# Altium PCB Mixed Signal Board Project_final.PcbDoc (part 1 of 3) (continued)
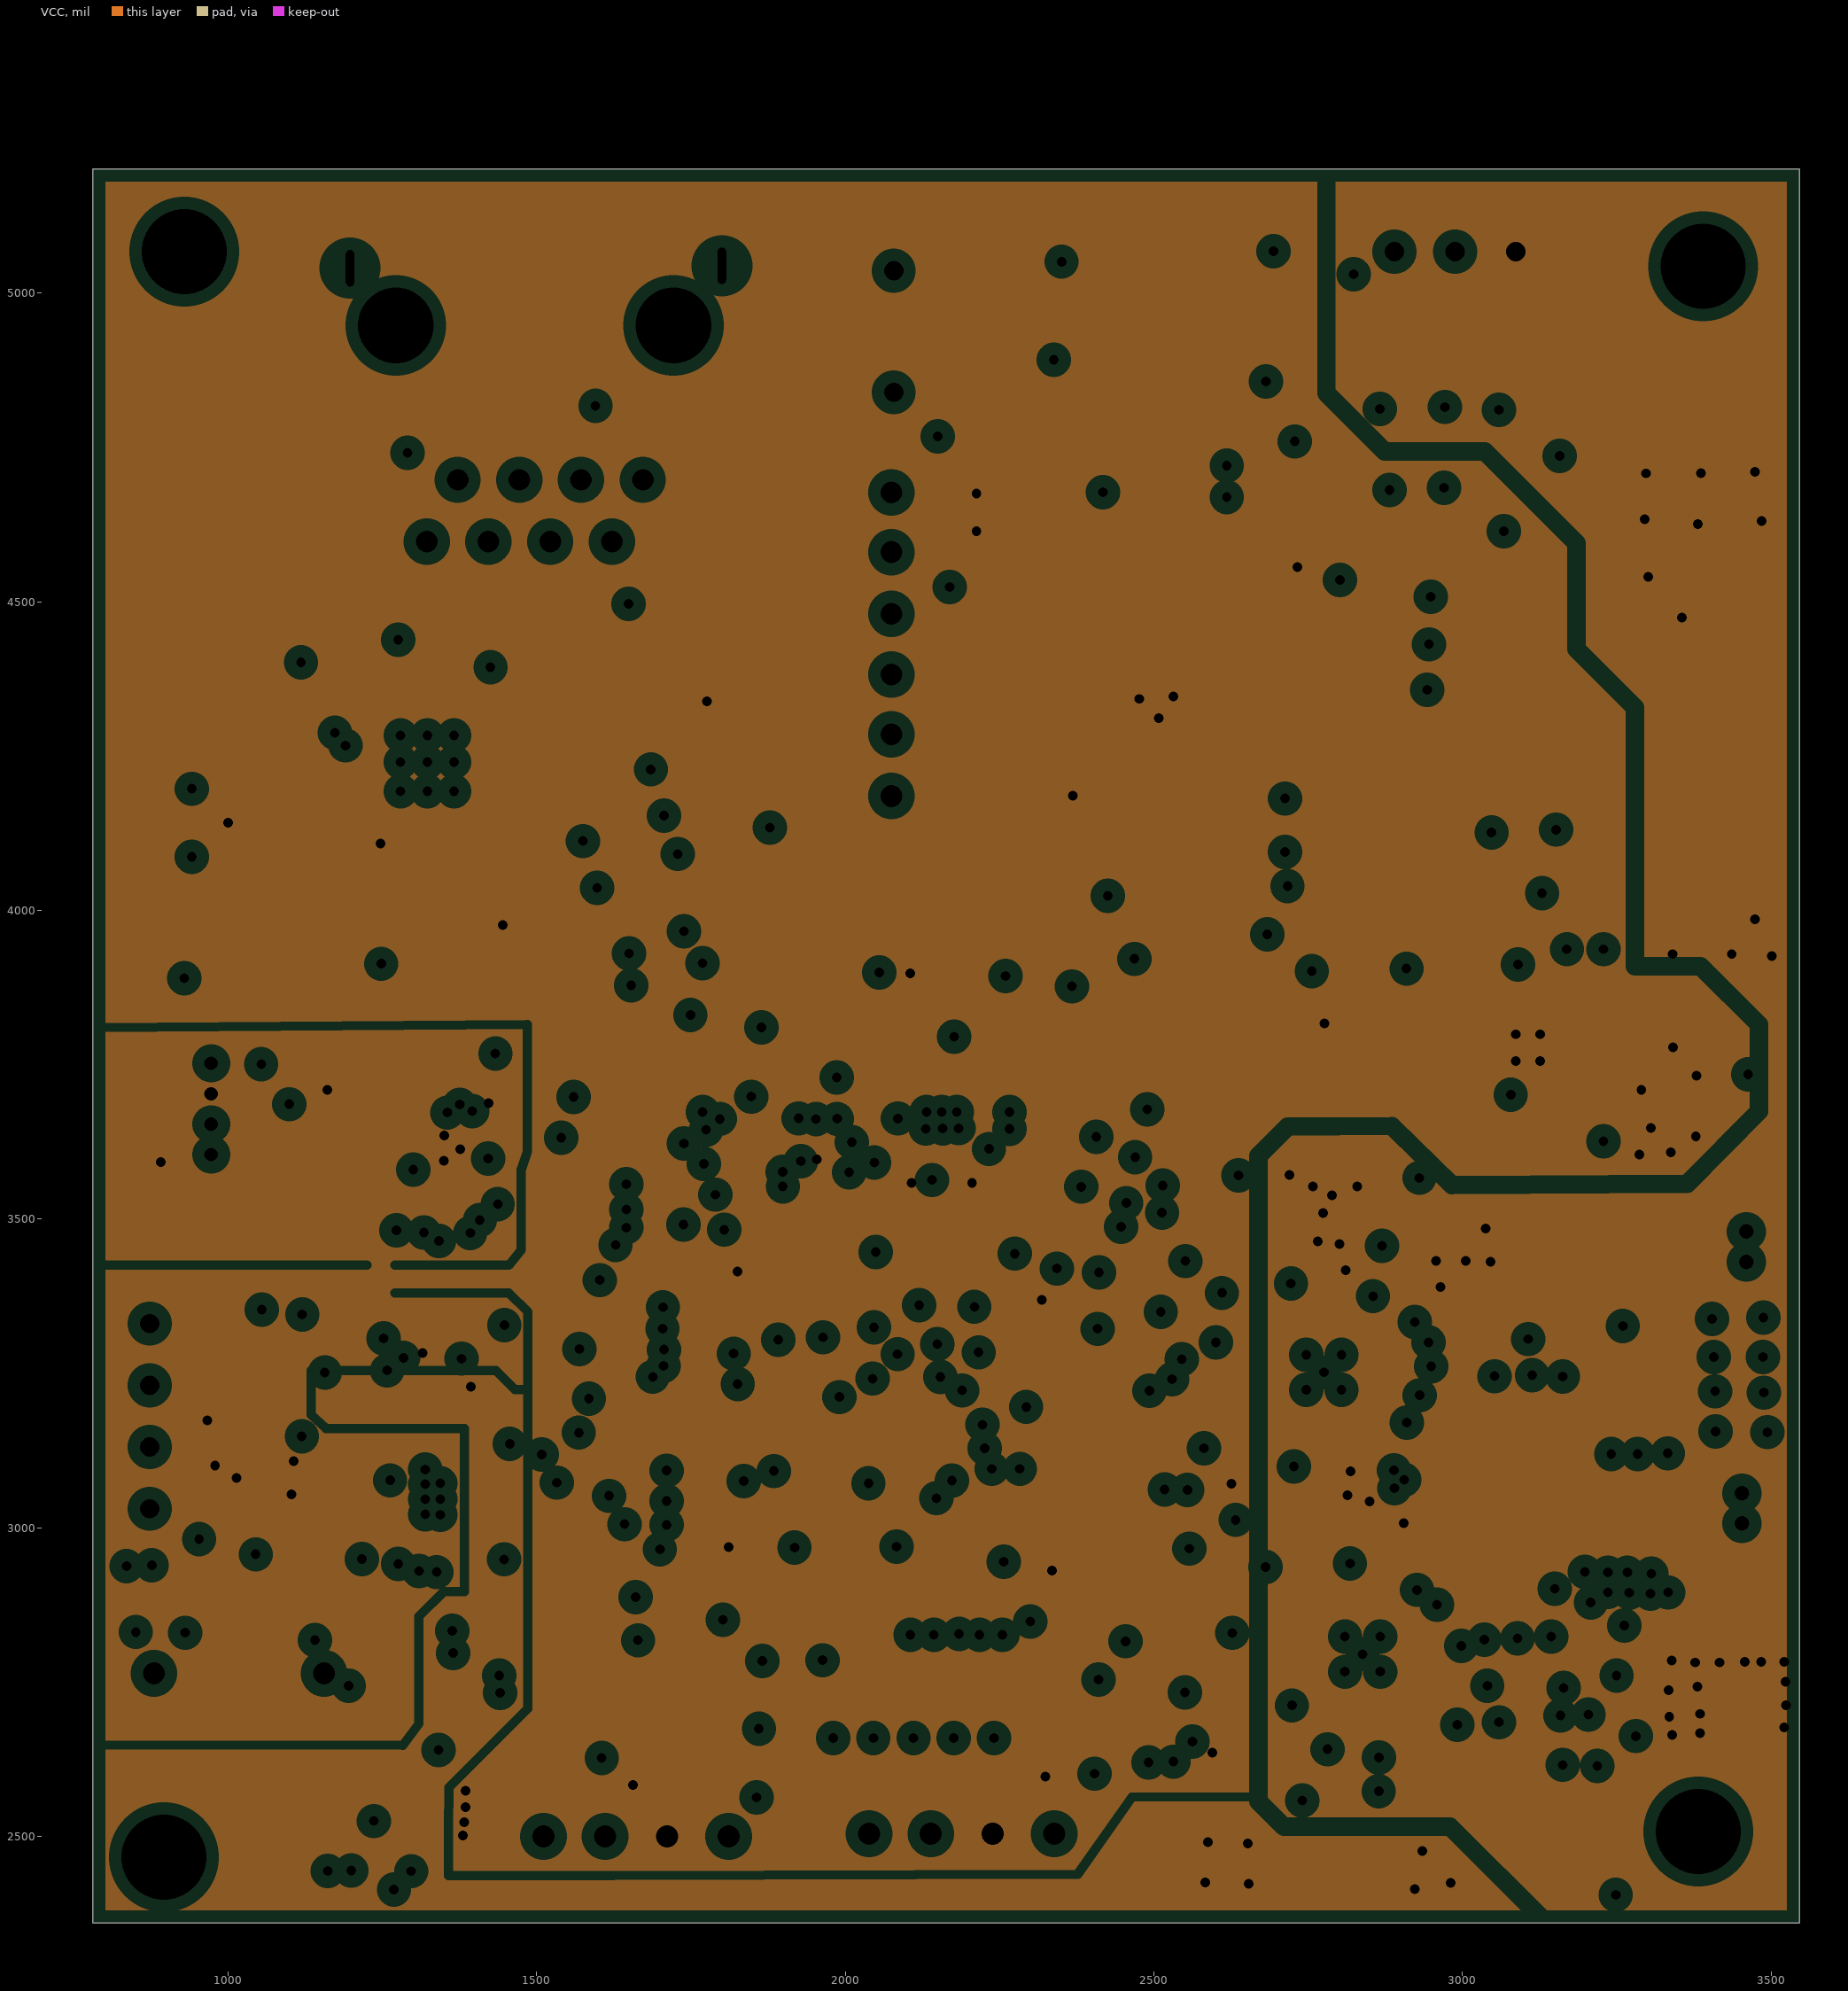
[diagram p3: VCC, clearances drawn from the general rule]
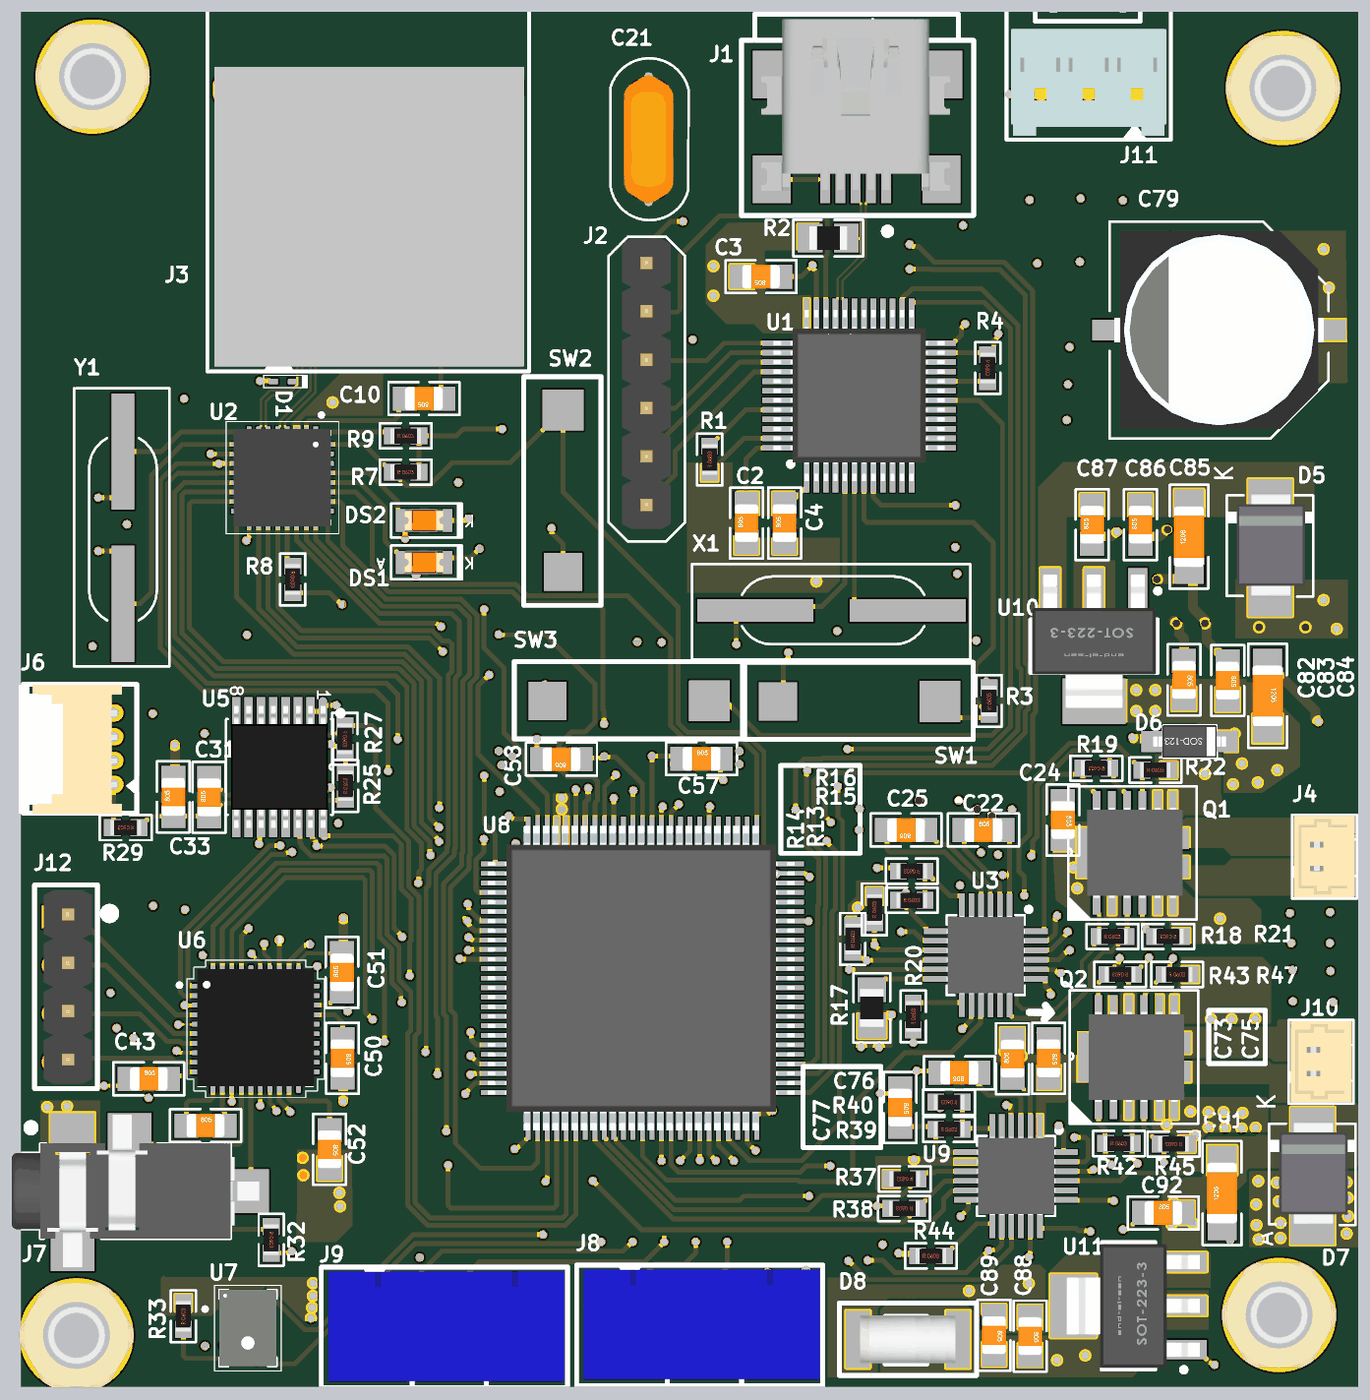
[diagram p6: 3D render of the assembled board from above, using the file's embedded part models]
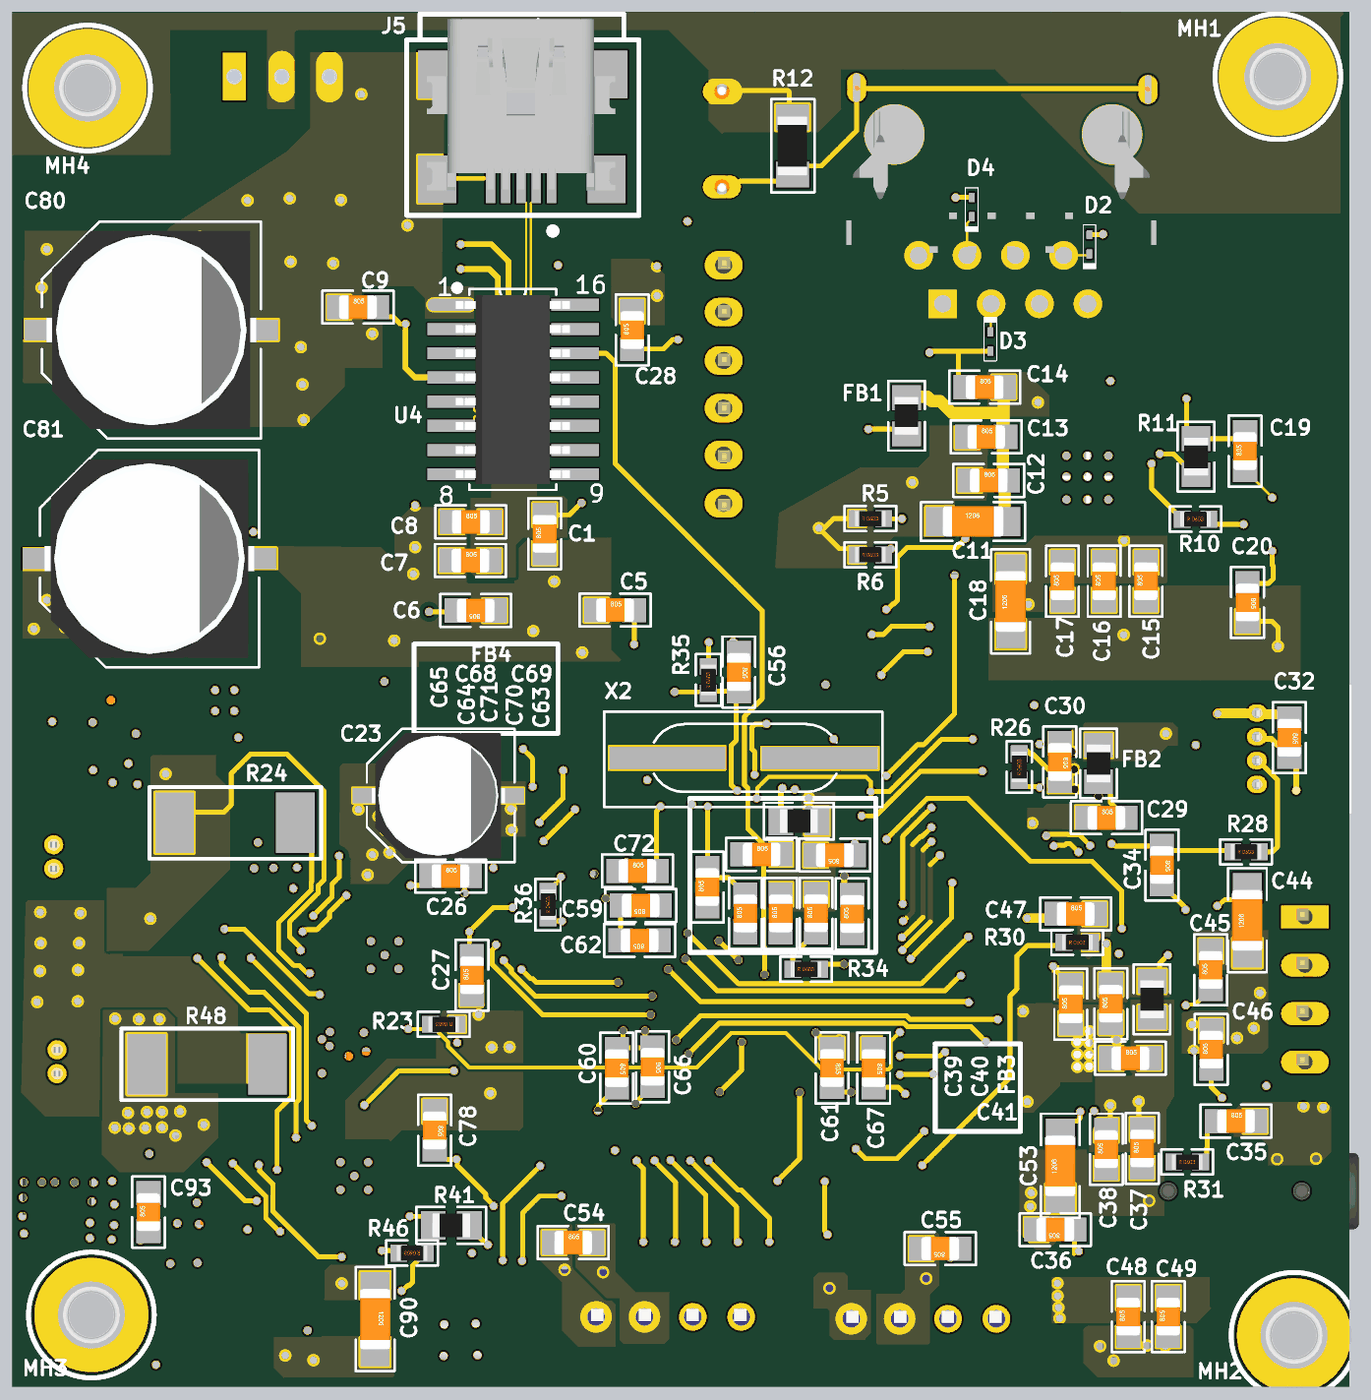
[diagram p7: 3D render of the assembled board from below, using the file's embedded part models]

## Layer stack, top to bottom
Top Solder: solder mask 0.3937, Solder Resist, Dk 3.5
Top Layer: signal copper 1.378
Dielectric 2: prepreg 3.937, PP-006, Dk 4.1
GND: plane copper 0.689, net GND
Dielectric 4: prepreg 49.6063, PP-006, Dk 4.1
VCC: plane copper 0.689, net (Multiple Nets)
Dielectric 1: dielectric 3.937, FR-4, Dk 4.8
Bottom Layer: signal copper 1.378
Bottom Solder: solder mask 0.3937, Solder Resist, Dk 3.5

## Board outline
780.96,2359.7 3545.81,2359.7 3545.81,5200.79 780.96,5200.79

## Design rules (kind name [scope] priority, off if disabled: settings)
Clearance Clearance_1 [All] p1: gap=5 ignorepadtopadclearanceinfootprint=TRUE
Clearance [InNet('EARTH') vs InNet('GND')] p2: gap=39.37 ignorepadtopadclearanceinfootprint=TRUE
DiffPairsRouting DIFF100 [InDifferentialPairClass('All Differential Pairs')] p1: maxlimit=5 minlimit=5 mostfreqgap=5 toplayer_minwidth=5.18 toplayer_maxwidth=5.18 toplayer_prefwidth=5.18 bottomlayer_minwidth=4.49 bottomlayer_maxwidth=4.49 bottomlayer_prefwidth=4.49 impedanceprofiledriven=TRUE impedanceprofileid={F464F2CA-4C36-4E4D-B9B0-D89BCE6606BD} impedanceprofilevalue=100.000000 maxuncoupledlength=500
DiffPairsRouting DIFF90 [InDifferentialPairClass('All Differential Pairs')] p2: maxlimit=5 minlimit=5 mostfreqgap=5 toplayer_minwidth=6.52 toplayer_maxwidth=6.52 toplayer_prefwidth=6.52 bottomlayer_minwidth=5.71 bottomlayer_maxwidth=5.71 bottomlayer_prefwidth=5.71 impedanceprofiledriven=TRUE impedanceprofileid={6A537766-11E8-45C7-A25F-3646B8415697} impedanceprofilevalue=90.000000 maxuncoupledlength=500
HoleSize [All] p1: absolutevalues=TRUE maxlimit=140 minlimit=1 maxpercent=80.000 minpercent=20.000
HoleToHoleClearance [All] p1: gap=5 allowstackedmicrovias=TRUE
PlaneClearance [All] p1: clearance=20
PlaneConnect [All] p1: planeconnectstyle=Direct reliefexpansion=20 reliefentries=4 reliefconductorwidth=10 reliefairgap=10
PolygonConnect [All] p1: connectstyle=Direct reliefconductorwidth=10 reliefentries=4 polygonreliefangle="90 Angle" airgapwidth=10
RoutingVias [All] p1: holewidth=28 width=50 viastyle="Through Hole" minholewidth=9.84 minwidth=17.72 maxholewidth=28 maxwidth=50
SolderMaskExpansion [All] p1: expansion=4 istentingtop=FALSE
SupplyNets "Schematic Supply Nets_2" [InNet('DVDD_2')] p1: voltage=0.000
SupplyNets "Schematic Supply Nets_6" [InNet('GND')] p2: voltage=0.000
SupplyNets "Schematic Supply Nets_7" [InNet('DVDD')] p3: voltage=0.000
SupplyNets "Schematic Supply Nets_5" [InNet('+3V3')] p4: voltage=0.000
SupplyNets "Schematic Supply Nets_3" [InNet('+12V')] p5: voltage=0.000
SupplyNets "Schematic Supply Nets_1" [InNet('+1V8')] p6: voltage=0.000
SupplyNets "Schematic Supply Nets" [InNet('EARTH')] p7: voltage=0.000
Width [All] p1: maxlimit=196.85 minlimit=3.94 preferedwidth=10
25 further rules are at their usual default settings.

## Classes and differential pairs
net class Crit_Nets: AIN0 AIN1 CH340USB_RTS NetC31_1 NetC31_2 NetJ7_2 NetJ7_3 nFAULT nFAULT_2 NRST NTRST_F407 OUTA+ OUTA- OUTB+ OUTB- "PHY RESET" RESET SNSOUT SNSOUT_2 SO SO_2
net class OSC_Nets: NetC5_2 NetC6_2 NetC57_1 NetC58_1
differential pair class DIFF100: RD TD
differential pair class DIFF90: CH340USB_D USBD
net class 50OHM: COL CRS INT MDC MDIO RX_CLK RX_D0 RX_D1 RX_D2 RX_D3 RX_DV RX_ER TX_CLK TX_D0 TX_D1 TX_D2 TX_D3 TX_EN
component class "[11] - Power Input and Regulators": C79 C80 C81 C82 C83 C84 C85 C86 C87 C88 C89 C90 C91 C92 C93 D5 D6 D7 D8 J11 MH1 MH2 MH3 MH4 U10 U11
component class "[10] - Motor Driver- 2": C73 C75 C76 C77 C78 J10 Q2 R37 R38 R39 R40 R41 R42 R43 R44 R45 R46 R47 R48 U9
component class "[9] - STM32F407 Controller": C54 C55 C56 C57 C58 C59 C60 C61 C62 C63 C64 C65 C66 C67 C68 C69 C70 C71 C72 FB4 J8 J9 R34 R35 R36 SW3 U8 X2
component class "[8] - DAC and MIC": C35 C36 C37 C38 C39 C40 C41 C42 C43 C44 C45 C46 C47 C48 C49 C50 C51 C52 C53 FB3 J7 J12 R30 R31 R32 R33 U6 U7
component class "[7] - ADC Chip": C29 C30 C31 C32 C33 C34 FB2 J6 R25 R26 R27 R28 R29 U5
component class "[6] - CH340C": C28 J5 U4
component class "[5] - Motor Driver Schematic": C22 C23 C24 C25 C26 C27 J4 Q1 R13 R14 R15 R16 R17 R18 R19 R20 R21 R22 R23 R24 U3
component class "[4] - Ethernet PHY": C10 C11 C12 C13 C14 C15 C16 C17 C18 C19 C20 C21 D1 D2 D3 D4 DS1 DS2 FB1 J3 R5 R6 R7 R8 R9 R10 R11 R12 SW2 U2 Y1
component class "[3] - STM32F103 Debugger": C1 C2 C3 C4 C5 C6 C7 C8 C9 J1 J2 R1 R2 R3 R4 SW1 U1 X1
differential pair USBD: +USBD_P -USBD_N
differential pair TD: +TD_P -TD_N
differential pair RD: +RD_P -RD_N
differential pair CH340USB_D: +CH340USB_D_P -CH340USB_D_N

## Components (designator, comment, footprint, x,y, rotation, side; value= is the part's Value field where it differs from the comment)
C1 "4.7uF" CAP_0805 2444.88,4122.04 r90 bottom
C2 "0.1uF" CAP_0805 2280.96,4144.34 r90 top
C3 "0.1uF" CAP_0805 2311.03,4653.55 r180 top
C4 "0.1uF" CAP_0805 2359.7,4144.34 r90 top
C5 "30pF" CAP_0805 2299.22,3964.56 r180 bottom
C6 "30pF" CAP_0805 2587.54,3963.66 r0 bottom
C7 "1uF" CAP_0805 2598.43,4066.93 r180 bottom
C8 "10nF" CAP_0805 2597.56,4146.85 r180 bottom
C9 "0.1uF" CAP_0805 2830.71,4590.55 r180 bottom
C10 "2nF" CAP_0805 1614.18,4401.58 r180 top
C11 "10uF" CAP_1206 1559.4,4147.68 r180 bottom
C12 "1uF" CAP_0805 1526.89,4232.48 r180 bottom
C13 "0.1uF" CAP_0805 1531.89,4322.48 r180 bottom
C14 "10nF" CAP_0805 1535.44,4425.19 r180 bottom
C15 "10nF" CAP_0805 1201.89,4024.11 r90 bottom
C16 "0.1uF" CAP_0805 1288.22,4024.11 r90 bottom
C17 "1uF" CAP_0805 1374.55,4024.11 r90 bottom
C18 "10uF" CAP_1206 1481.89,3982.48 r90 bottom
C19 "20pF" CAP_0805 996.89,4293.11 r90 bottom
C20 "20pF" CAP_0805 992.13,3980.32 r270 bottom
C21 "10nF" CAP_P196_102X287_H332_RAD_TH 2078.47,5036 r270 top
C22 "1uF" CAP_0805 2770.63,3510 r0 top
C23 "100uF" ACAP_P236_D305_H303_RAD 2664.8,3581.14 r180 bottom
C24 "0.1uF" CAP_0805 2935,3530.63 r270 top
C25 "0.1uF" CAP_0805 2610.63,3510 r180 top
C26 "1uF" CAP_0805 2639.37,3415 r180 bottom
C27 "1uF" CAP_0805 2595,3210 r90 bottom
C28 "0.1uF" CAP_0805 2263.78,4543.3 r90 bottom
C29 "0.1uF" CAP_0805 1283.47,3535.43 r180 bottom
C30 "0.1uF" CAP_0805 1380,3650.63 r270 bottom
C31 "0.1uF" CAP_0805 1169.89,3577.66 r90 top
C32 "0.1uF" CAP_0805 905.51,3700.79 r270 bottom
C33 "10nF" CAP_0805 1095.98,3578.59 r90 top
C34 "10nF" CAP_0805 1168.98,3437.76 r270 bottom
C35 "22nF" CAP_0805 1015.87,2908.46 r180 bottom
C36 "22nF" CAP_0805 1389.42,2684.3 r0 bottom
C37 "0.1uF" CAP_0805 1209.74,2852.15 r90 bottom
C38 "1uF" CAP_0805 1283.83,2850.44 r90 bottom
C39 "1uF" CAP_0805 1357.35,3150.01 r90 bottom
C40 "0.1uF" CAP_0805 1274.47,3151.21 r90 bottom
C41 "0.1uF" CAP_0805 1234.01,3038.32 r180 bottom
C42 "1uF" CAP_0805 1162.49,2899.2 r0 top
C43 "1uF" CAP_0805 1045.38,2995.87 r0 top
C44 "10uF" CAP_1206 992.37,3323.58 r90 bottom
C45 "0.1uF" CAP_0805 1067.98,3220.96 r90 bottom
C46 "0.1uF" CAP_0805 1066.86,3056.35 r90 bottom
C47 "0.1uF" CAP_0805 1347.17,3336.69 r180 bottom
C48 "1uF" CAP_0805 1238.38,2504.4 r90 bottom
C49 "0.1uF" CAP_0805 1155.7,2504.4 r90 bottom
C50 "150pF" CAP_0805 1445.65,3038.39 r270 top
C51 "150pF" CAP_0805 1444.71,3215.88 r90 top
C52 "1uF" CAP_0805 1419,2850.29 r270 top
C53 "10uF" CAP_1206 1379.17,2816.34 r90 bottom
C54 "0.1uF" CAP_0805 2385.83,2657.48 r180 bottom
C55 "0.1uF" CAP_0805 1627.09,2645.17 r0 bottom
C56 "0.1uF" CAP_0805 2043.44,3836.48 r270 bottom
C57 "30pF" CAP_0805 2187.9,3657.41 r0 top
C58 "30pF" CAP_0805 1898.39,3656.38 r180 top
C59 "4.7uF" CAP_0805 2246.33,3353.92 r0 bottom
C60 "0.1uF" CAP_0805 2295.84,3017.92 r270 bottom
C61 "0.1uF" CAP_0805 1850.78,3018.33 r270 bottom
C62 "0.1uF" CAP_0805 2248.47,3281.84 r0 bottom
C63 "0.1uF" CAP_0805 1809.2,3336.66 r90 bottom
C64 "0.1uF" CAP_0805 2029.94,3337.72 r90 bottom
C65 "0.1uF" CAP_0805 2108.67,3392.22 r90 bottom
C66 "2.2uF" CAP_0805 2221.83,3020.75 r270 bottom
C67 "2.2uF" CAP_0805 1764.88,3018.1 r270 bottom
C68 "1uF" CAP_0805 1996.53,3459.78 r180 bottom
C69 "1uF" CAP_0805 1845.14,3458.16 r0 bottom
C70 "0.1uF" CAP_0805 1883.84,3337.91 r90 bottom
C71 "0.1uF" CAP_0805 1957.02,3337.72 r90 bottom
C72 "0.1uF" CAP_0805 2253.01,3425.5 r180 bottom
C73 "1uF" CAP_0805 2830.66,3037.52 r90 top locked
C75 "0.1uF" CAP_0805 2905.38,3038.23 r270 top
C76 "0.1uF" CAP_0805 2720.99,3008.36 r180 top
C77 "1uF" CAP_0805 2598.47,2936.53 r270 top
C78 "1uF" CAP_0805 2672.25,2889.49 r270 bottom
C79 "100uF" ACAP_P305_D393_H393_RAD 3257.87,4543.31 r180 top
C80 "100uF" ACAP_P305_D393_H393_RAD 3257.87,4543.31 r180 bottom
C81 "100uF" ACAP_P305_D393_H393_RAD 3261.81,4070.87 r180 bottom
C82 "0.1uF" CAP_0805 3185.23,3820.36 r270 top
C83 "1uF" CAP_0805 3275.59,3818.9 r270 top
C84 "10uF" CAP_1206 3358.27,3787.4 r270 top
C85 "10uF" CAP_1206 3195.59,4116.15 r90 top
C86 "1uF" CAP_0805 3095.24,4140.98 r90 top
C87 "0.1uF" CAP_0805 2995.24,4140.98 r90 top
C88 "0.1uF" CAP_0805 2867.11,2464.18 r270 top
C89 "1uF" CAP_0805 2792.5,2466.1 r270 top
C90 "10uF" CAP_1206 2795.08,2499.44 r270 bottom
C91 "10uF" CAP_1206 3263.78,2759.85 r90 top
C92 "1uF" CAP_0805 3142.56,2718.81 r0 top
C93 "0.1uF" CAP_0805 3263.78,2720.47 r90 bottom
D1 "ESD3V3D9-TP" DIO_SOD-923 1322.64,4437.01 r180 top
D2 "ESD3V3D9-TP" DIO_SOD-923 1318.9,4720.47 r90 bottom
D3 "ESD3V3D9-TP" DIO_SOD-923 1523.62,4519.49 r270 bottom
D4 "ESD3V3D9-TP" DIO_SOD-923 1561.89,4797.36 r90 bottom
D5 "MBRS130LT3G" DIO_SMB_DO-214AA 3363.58,4093.33 r90 top
D6 "BZT52C3V3-7-F" DIO_SOD-123 3196.85,3692.91 r0 top
D7 "MBRS130LT3G" DIO_SMB_DO-214AA 3451.32,2794.83 r90 top
D8 "1.8V Zener" DIO_DO-213AB_SMD 2614.55,2457.63 r180 top
DS1 "LED ORANGE" LED_0805 1614.17,4149.61 r180 top
DS2 "LED ORANGE" LED_0805 1614.17,4062.99 r180 top
FB1 "1K" IND_0805 1696.85,4366.14 r270 bottom
FB2 "1K" IND_0805 1300,3647.6 r90 bottom
FB3 "1K" IND_0805 1189.47,3160.16 r90 bottom
FB4 "1K" IND_0805 1919.36,3528.24 r0 bottom
J1 "USB2.0 MINI B" CON_690-005-299-043 2333.23,4854.65 r270 top
J2 "Bergstrip 2.54mm" CON6_100_59D78_TH_ST 2074.8,4185.04 r90 top
J3 "RJ45 LAN" CON10_P106_RJ45_TH_ST 1721.3,4949.65 r180 top
J4 "653002114822" CON2_50_653002114822_TH_ST 3459.8,3454.96 r90 top
J5 "USB2.0 MINI B" CON_690-005-299-043 2667.12,4855.12 r270 bottom
J6 "1.25MM Spade 4PIN" CON4_50_653004117322_TH_RA 972.44,3751.97 r90 top
J7 "4X1 STEREO" CON_SJ-2504A-SMT-TR_SMD 1017.76,2763.91 r0 top locked
J8 "B4B-XH-A(LF)(SN)" CON4_100_B4B-XH-A_TH_ST 2038.58,2503.94 r0 top
J9 "B4B-XH-A(LF)(SN)" CON4_100_B4B-XH-A_TH_ST 1511.02,2500 r0 top
J10 "653002114822" CON2_50_653002114822_TH_ST 3452.91,3031.26 r90 top
J11 "Terminal Block 2.5mm" CON3_100_TB_TH_ST 2988.19,5066.93 r270 top
J12 "4X1 BERG STRIP" CON4_100_40D72_TH_ST_MALE 873.17,3330.56 r0 top
MH1 "Mounting Hole" MOUNTING 929.13,5066.93 r180 bottom
MH2 "Mounting Hole" MOUNTING 895.8,2465.84 r180 bottom
MH3 "Mounting Hole" MOUNTING 3381.89,2507.87 r180 bottom
MH4 "Mounting Hole" MOUNTING 3389.76,5043.31 r180 bottom
Q1 "DMHT6016LFJ-13" DFN5045-12_33_212_27X15_SMD_1 3083.54,3462.99 r0 top
Q2 "DMHT6016LFJ-13" DFN5045-12_33_212_27X15_SMD_1 3086.81,3040.87 r0 top locked
R1 "100K" RES_0603 2204.72,4275.65 r90 top
R2 "1.5K" RES_0805 2449.83,4733.2 r0 top
R3 "10K" RES_0603 2782.37,3776.77 r90 top
R4 "100K" RES_0603 2779.53,4464.63 r270 top
R5 "3K3" RES_0603 1771.6,4153.54 r180 bottom
R6 "3K3" RES_0603 1771.6,4078.74 r180 bottom
R7 "10K" RES_0603 1576.42,4249.59 r0 top
R8 "10K" RES_0603 1342.89,4027.8 r270 top
R9 "10K" RES_0603 1576.42,4324.59 r0 top
R10 "10K" RES_0603 1099.39,4152.48 r180 bottom
R11 "6.49K" RES_0805 1098.42,4281.49 r90 bottom
R12 "1M" RES_1206 1932.57,4923.68 r90 bottom
R13 "10K" RES_0603 2545.4,3346.04 r90 top
R14 "10K" RES_0603 2500.38,3285.03 r90 top
R15 "2K" RES_0603 2622.5,3365 r0 top
R16 "3K3" RES_0603 2622.5,3425 r180 top
R17 "33K" RES_0805 2540,3142.4 r270 top
R18 "10K" RES_0603 3037.5,3290 r0 top
R19 "10K" RES_0603 3004,3637.8 r180 top
R20 "10K" RES_0603 2625.65,3124.77 r90 top
R21 "10K" RES_0603 3152.5,3290 r180 top
R22 "10K" RES_0603 3126.04,3633.86 r0 top
R23 "10K" RES_0603 2653.49,3108.59 r0 bottom
R24 "50mOHM" RES_2512 3085,3525 r0 bottom
R25 "10K" RES_0603 1451.86,3601.36 r90 top
R26 "10K" RES_0603 1463.93,3640.21 r90 bottom
R27 "10K" RES_0603 1450.72,3698.58 r270 top
R28 "1K" RES_0603 995,3465 r180 bottom
R29 "1K" RES_0603 997.5,3515 r180 top
R30 "10K" RES_0603 1343.93,3277.89 r180 bottom
R31 "51.1R" RES_0603 1116.58,2824.19 r180 bottom
R32 "51.1R" RES_0603 1298.39,2663.14 r270 top
R33 "10K" RES_0603 1116.64,2505.39 r90 top
R34 "100K" RES_0603 1904.4,3222.39 r180 bottom
R35 "10K" RES_0603 2106.57,3820.11 r90 bottom
R36 "100K" RES_0603 2437.96,3355.66 r90 bottom
R37 "10K" RES_0603 2607.87,2789.05 r180 top
R38 "10K" RES_0603 2606.66,2727.93 r180 top
R39 "2K" RES_0603 2699.78,2891.56 r0 top
R40 "3K3" RES_0603 2699.64,2947.56 r180 top
R41 "33K" RES_0805 2637.93,2693.13 r180 bottom